# Altium PCB amp.PcbDoc (part 10 of 20) (continued)
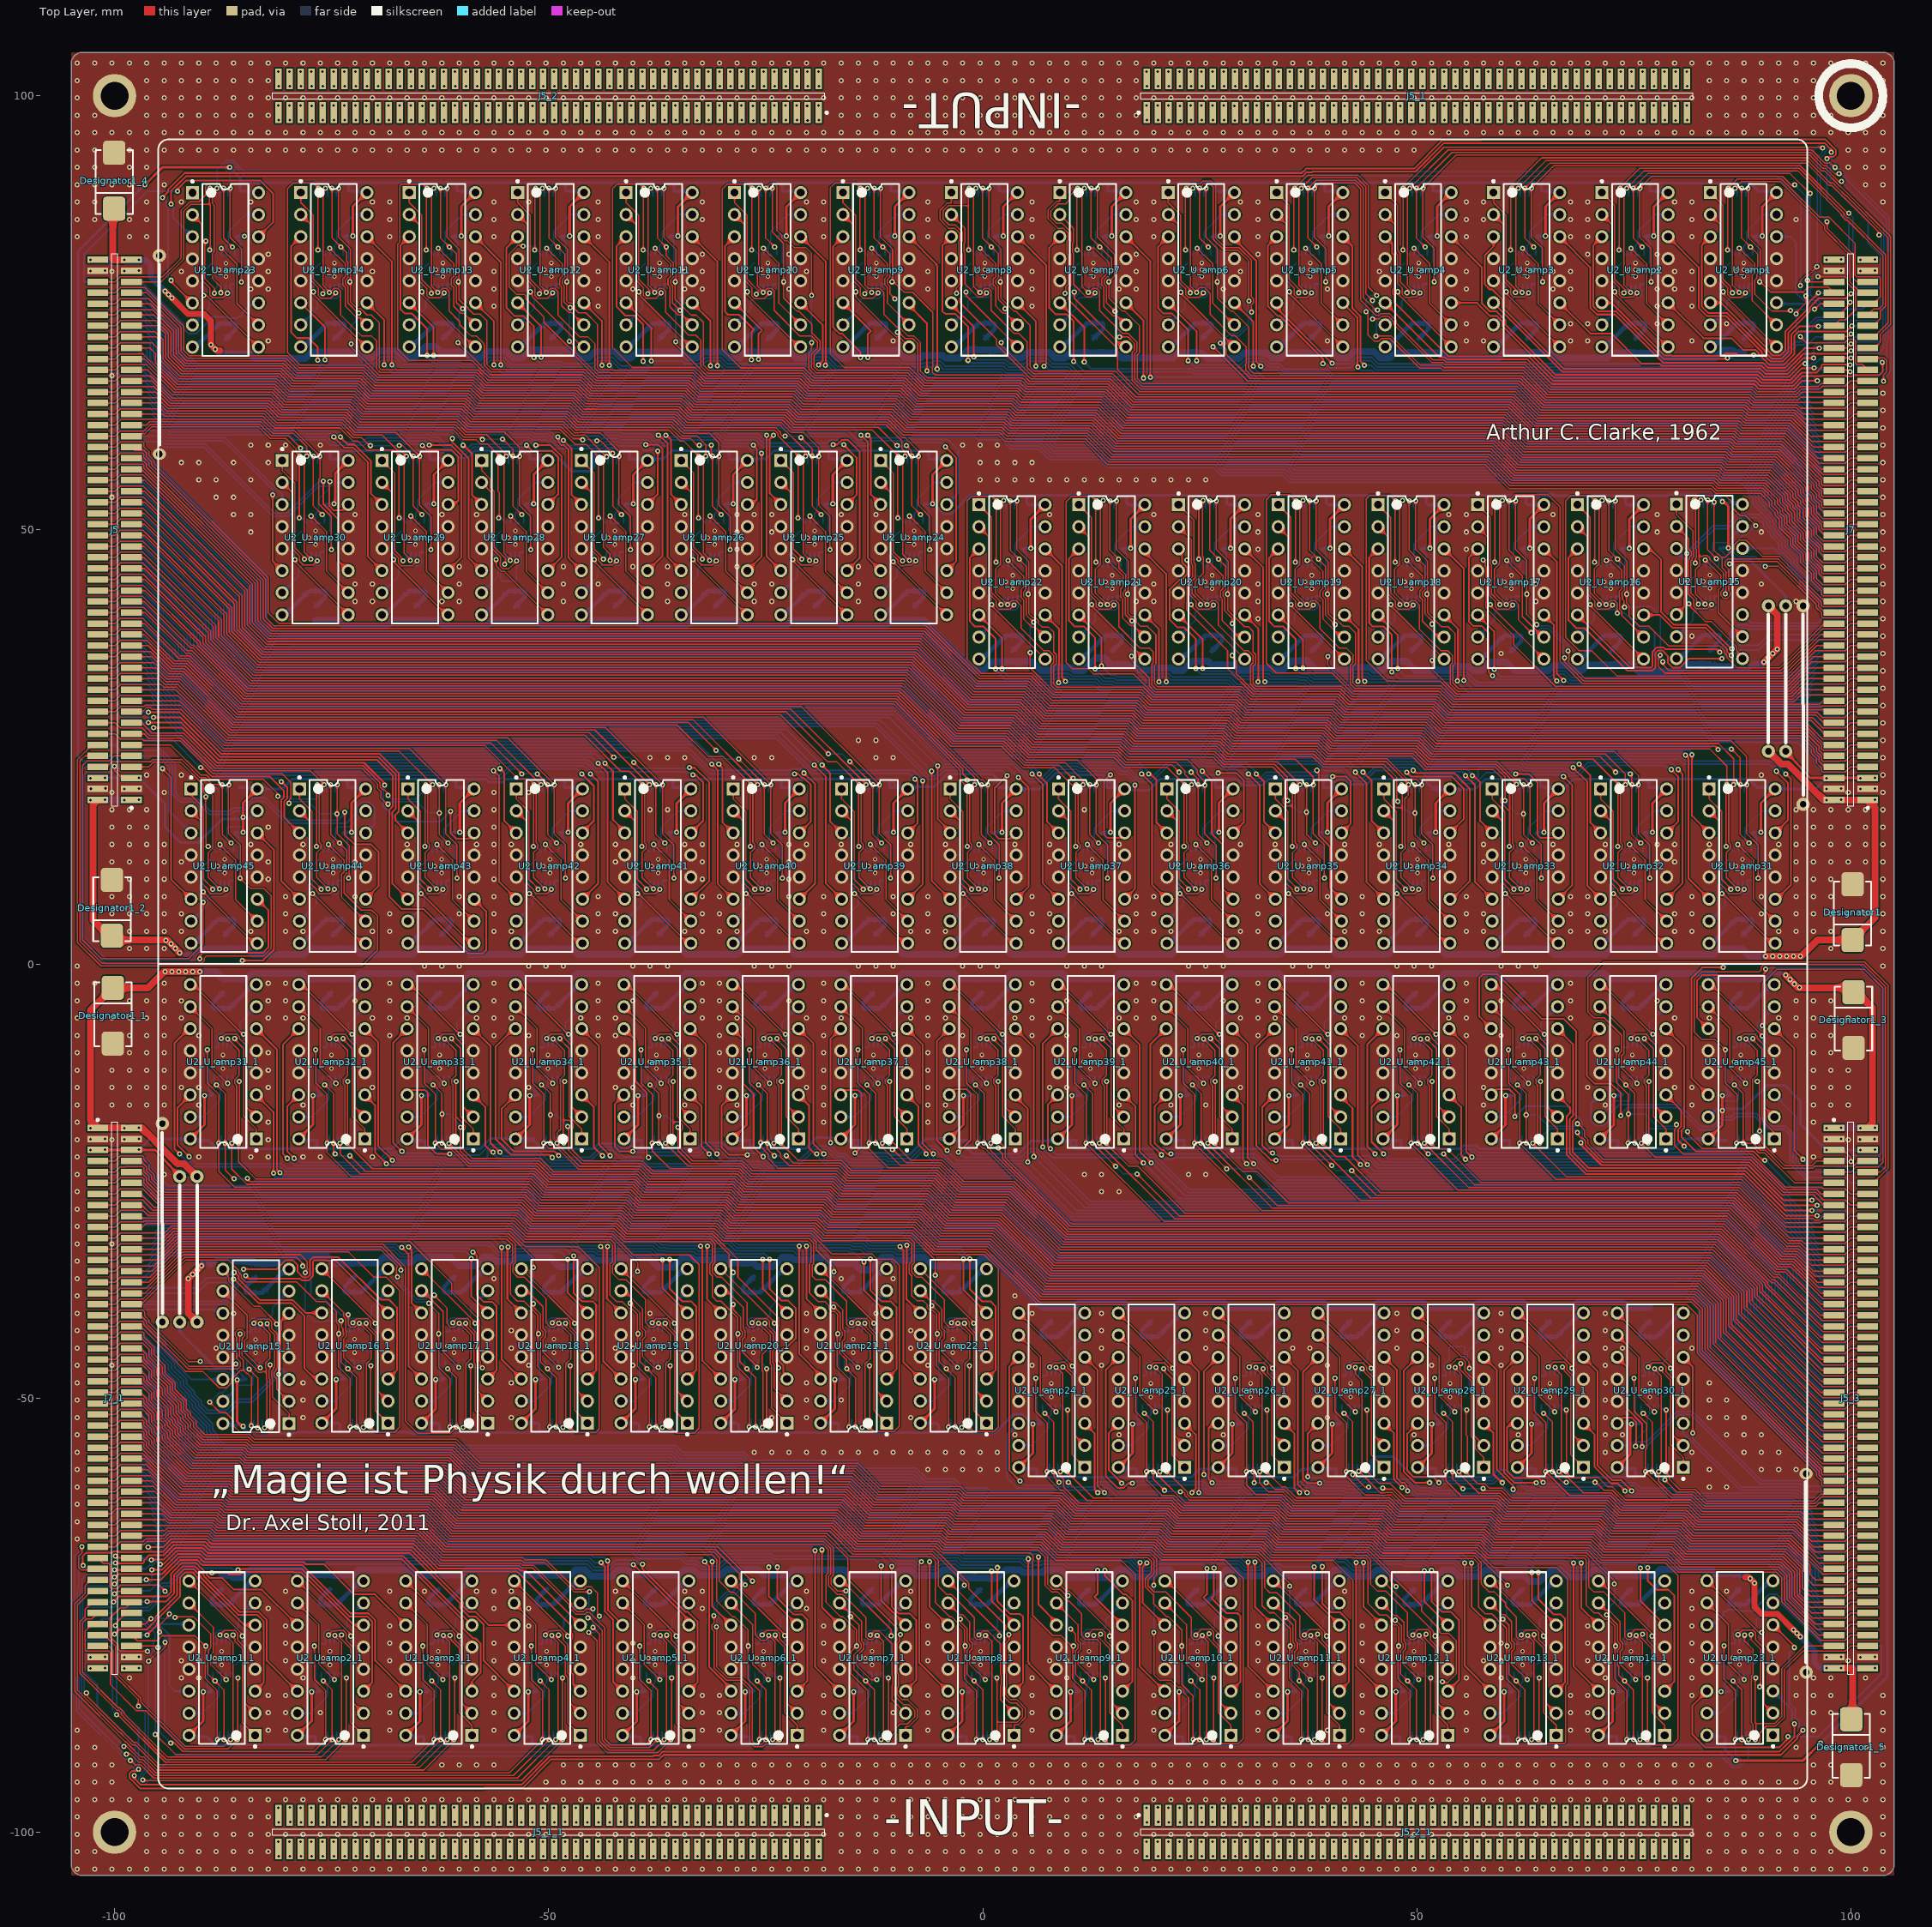
[diagram p0: Top Layer view]
## Nets (pads, with @x,y where several pads share a name; then routed paths per layer and width w, separated by ;. In a path a pad name is that pad's centre, name@x,y a point inside that pad or via, vN(x,y) a via of type N, cw(c..) or ccw(c..) an arc to the next point about the centre after c; other vN are vias at no path point) (continued)
NetJ6_22: J6.22 J6_3.22 U2_U_amp42.3 U2_U_amp42_1.3 | length 109.4
  Top Layer w0.2: v1(-55.6,22.5) -55.1,22 -55.1,16.459 U2_U_amp42.3@-53.724,15.083 ; U2_U_amp42_1.3@53.724,-15.083 55.1,-16.459 55.1,-22 v1(55.6,-22.5)
  Bottom Layer w0.2: J6.22@-98.05,31.585 -96.064,31.585 -87.279,22.8 -56.1,22.8 -55.6,22.3 v1(-55.6,22.5) ; v1(55.6,-22.5) 55.6,-22.3 56.1,-22.8 87.279,-22.8 96.064,-31.585 J6_3.22@98.05,-31.585
NetJ6_23: J6.23 J6_3.23 U2_U_amp41.14 U2_U_amp41_1.14 | length 162.2
  Top Layer w0.2: U2_U_amp41.14@-33.614,15.083 -32.2,16.497 -32.2,20.9 -33.1,21.8 v1(-33.4,21.8) ; v1(33.4,-21.8) 33.1,-21.8 32.2,-20.9 32.2,-16.497 U2_U_amp41_1.14@33.614,-15.083
  Bottom Layer w0.2: J6.23@-101.95,32.855 -99.974,32.855 -99.354,32.235 -96.219,32.235 -87.147,23.164 -45.636,23.164 -44.623,22.15 -34.128,22.15 -34.028,22.05 -33.75,22.05 -33.5,21.8 v1(-33.4,21.8) ; v1(33.4,-21.8) 33.5,-21.8 33.75,-22.05 34.028,-22.05 34.128,-22.15 44.623,-22.15 45.636,-23.164 87.147,-23.164 96.219,-32.235 99.354,-32.235 99.974,-32.855 J6_3.23@101.95,-32.855
NetJ6_24: J6.24 J6_3.24 U2_U_amp41.11 U2_U_amp41_1.11 | length 171.8
  Top Layer w0.2: v1(-33.8,22.6) -33.2,22.6 -31.5,20.9 -31.5,9.577 U2_U_amp41.11@-33.614,7.463 ; U2_U_amp41_1.11@33.614,-7.463 31.5,-9.577 31.5,-20.9 33.2,-22.6 v1(33.8,-22.6)
  Bottom Layer w0.2: J6.24@-98.05,32.855 -96.344,32.855 -87.003,23.514 -45.491,23.514 -44.528,22.55 -44.15,22.55 -44.1,22.5 -33.9,22.5 v1(-33.8,22.6) ; v1(33.8,-22.6) 33.9,-22.5 44.1,-22.5 44.15,-22.55 44.528,-22.55 45.491,-23.514 87.003,-23.514 96.344,-32.855 J6_3.24@98.05,-32.855
NetJ6_25: J6.25 J6_3.25 U2_U_amp41.6 U2_U_amp41_1.6 | length 158.2
  Top Layer w0.2: v1(-44.3,23.1) -43.2,22 -43.2,9.429 U2_U_amp41.6@-41.234,7.463 ; U2_U_amp41_1.6@41.234,-7.463 43.2,-9.429 43.2,-22 v1(44.3,-23.1)
  Bottom Layer w0.2: J6.25@-101.95,34.125 -99.974,34.125 -99.354,33.505 -96.499,33.505 -86.858,23.864 -45.064,23.864 v1(-44.3,23.1) ; v1(44.3,-23.1) 45.064,-23.864 86.858,-23.864 96.499,-33.505 99.354,-33.505 99.974,-34.125 J6_3.25@101.95,-34.125
NetJ6_26: J6.26 J6_3.26 U2_U_amp41.3 U2_U_amp41_1.3 | length 136.1
  Top Layer w0.2: v1(-43.5,23.1) -42.6,22.2 -42.6,16.6 -41.234,15.234 U2_U_amp41.3@-41.234,15.083 ; U2_U_amp41_1.3@41.234,-15.083 41.234,-15.234 42.6,-16.6 42.6,-22.2 v1(43.5,-23.1)
  Bottom Layer w0.2: J6.26@-98.05,34.125 -96.624,34.125 -86.713,24.214 -44.614,24.214 v1(-43.5,23.1) ; v1(43.5,-23.1) 44.614,-24.214 86.713,-24.214 96.624,-34.125 J6_3.26@98.05,-34.125
NetJ6_27: J6.27 J6_3.27 U2_U_amp40.14 U2_U_amp40_1.14 | length 188.7
  Top Layer w0.2: v1(-21.7,21.9) -21.278,21.9 -20.828,21.45 -20.65,21.45 -19.8,20.6 -19.8,16.407 U2_U_amp40.14@-21.124,15.083 ; U2_U_amp40_1.14@21.124,-15.083 19.8,-16.407 19.8,-20.6 20.65,-21.45 20.828,-21.45 21.278,-21.9 v1(21.7,-21.9)
  Bottom Layer w0.2: J6.27@-101.95,35.395 -99.974,35.395 -99.354,34.775 -96.776,34.775 -96.6,34.599 -96.6,34.596 -86.568,24.564 -34.036,24.564 -31.373,21.9 v1(-21.7,21.9) ; v1(21.7,-21.9) 31.373,-21.9 34.036,-24.564 86.568,-24.564 96.6,-34.596 96.6,-34.599 96.776,-34.775 99.354,-34.775 99.974,-35.395 J6_3.27@101.95,-35.395
NetJ6_28: J6.28 J6_3.28 U2_U_amp40.11 U2_U_amp40_1.11 | length 199
  Top Layer w0.2: U2_U_amp40.11@-21.124,7.463 -19.3,9.287 -19.3,20.7 v1(-20.6,22) ; v1(20.6,-22) 19.3,-20.7 19.3,-9.287 U2_U_amp40_1.11@21.124,-7.463
  Bottom Layer w0.2: J6.28@-98.05,35.395 -96.759,35.395 -95.8,34.436 -95.8,34.291 -86.423,24.914 -33.891,24.914 -31.278,22.3 -22.078,22.3 -21.928,22.45 -20.95,22.45 -20.4,21.9 -20.5,21.9 v1(-20.6,22) ; v1(20.6,-22) 20.5,-21.9 20.4,-21.9 20.95,-22.45 21.928,-22.45 22.078,-22.3 31.278,-22.3 33.891,-24.914 86.423,-24.914 95.8,-34.291 95.8,-34.436 96.759,-35.395 J6_3.28@98.05,-35.395
NetJ6_29: J6.29 J6_3.29 U2_U_amp40.6 U2_U_amp40_1.6 | length 186.3
  Top Layer w0.2: v1(-31.2,23) -30.5,22.3 -30.5,9.219 U2_U_amp40.6@-28.744,7.463 ; U2_U_amp40_1.6@28.744,-7.463 30.5,-9.219 30.5,-22.3 v1(31.2,-23)
  Bottom Layer w0.2: J6.29@-101.95,36.665 -99.974,36.665 -99.354,36.045 -96.776,36.045 -95.45,34.718 -95.45,34.436 -86.278,25.264 -33.464,25.264 v1(-31.2,23) ; v1(31.2,-23) 33.464,-25.264 86.278,-25.264 95.45,-34.436 95.45,-34.718 96.776,-36.045 99.354,-36.045 99.974,-36.665 J6_3.29@101.95,-36.665
NetJ6_30: J6.30 J6_3.30 U2_U_amp40.3 U2_U_amp40_1.3 | length 164.2
  Top Layer w0.2: v1(-30.4,23) -30,22.6 -30,16.339 U2_U_amp40.3@-28.744,15.083 ; U2_U_amp40_1.3@28.744,-15.083 30,-16.339 30,-22.6 v1(30.4,-23)
  Bottom Layer w0.2: J6.30@-98.05,36.665 -96.902,36.665 -95.1,34.863 -95.1,34.581 -86.133,25.614 -33.014,25.614 v1(-30.4,23) ; v1(30.4,-23) 33.014,-25.614 86.133,-25.614 95.1,-34.581 95.1,-34.863 96.902,-36.665 J6_3.30@98.05,-36.665
NetJ6_31: J6.31 J6_3.31 U2_U_amp39.14 U2_U_amp39_1.14 | length 216.4
  Top Layer w0.2: U2_U_amp39.14@-8.634,15.083 -7.5,16.217 -7.5,21 v1(-7.8,21.3) ; v1(7.8,-21.3) 7.5,-21 7.5,-16.217 U2_U_amp39_1.14@8.634,-15.083
  Bottom Layer w0.2: J6.31@-101.95,37.935 -99.974,37.935 -99.354,37.315 -96.776,37.315 -96.6,37.139 -96.6,37.105 -94.75,35.255 -94.75,34.726 -85.988,25.964 -23.759,25.964 -19.745,21.95 -8.45,21.95 v1(-7.8,21.3) ; v1(7.8,-21.3) 8.45,-21.95 19.745,-21.95 23.759,-25.964 85.988,-25.964 94.75,-34.726 94.75,-35.255 96.6,-37.105 96.6,-37.139 96.776,-37.315 99.354,-37.315 99.974,-37.935 J6_3.31@101.95,-37.935
NetJ6_32: J6.32 J6_3.32 U2_U_amp39.11 U2_U_amp39_1.11 | length 225.7
  Top Layer w0.2: U2_U_amp39.11@-8.634,7.463 -6.9,9.197 v1(-6.9,21.1) ; v1(6.9,-21.1) 6.9,-9.197 U2_U_amp39_1.11@8.634,-7.463
  Bottom Layer w0.2: J6.32@-98.05,37.935 -96.902,37.935 -94.4,35.433 -94.4,34.871 -85.843,26.314 -23.614,26.314 -19.6,22.3 -8,22.3 -6.9,21.2 v1(-6.9,21.1) ; v1(6.9,-21.1) 6.9,-21.2 8,-22.3 19.6,-22.3 23.614,-26.314 85.843,-26.314 94.4,-34.871 94.4,-35.433 96.902,-37.935 J6_3.32@98.05,-37.935
NetJ6_33: J6.33 J6_3.33 U2_U_amp39.6 U2_U_amp39_1.6 | length 213.4
  Top Layer w0.2: v1(-19.4,22.9) -18.1,21.6 -18.1,9.31 U2_U_amp39.6@-16.254,7.463 ; U2_U_amp39_1.6@16.254,-7.463 18.1,-9.31 18.1,-21.6 v1(19.4,-22.9)
  Bottom Layer w0.2: J6.33@-101.95,39.205 -99.974,39.205 -99.354,38.585 -96.776,38.585 -96.6,38.409 -96.6,38.405 -94.05,35.855 -94.05,35.016 -85.698,26.664 -23.264,26.664 -19.4,22.8 v1(-19.4,22.9) ; v1(19.4,-22.9) 19.4,-22.8 23.264,-26.664 85.698,-26.664 94.05,-35.016 94.05,-35.855 96.6,-38.405 96.6,-38.409 96.776,-38.585 99.354,-38.585 99.974,-39.205 J6_3.33@101.95,-39.205
NetJ6_34: J6.34 J6_3.34 U2_U_amp39.3 U2_U_amp39_1.3 | length 191.1
  Top Layer w0.2: v1(-18.5,22.9) -17.6,22 -17.6,16.43 U2_U_amp39.3@-16.254,15.083 ; U2_U_amp39_1.3@16.254,-15.083 17.6,-16.43 17.6,-22 v1(18.5,-22.9)
  Bottom Layer w0.2: J6.34@-98.05,39.205 -96.902,39.205 -93.7,36.003 -93.7,35.161 -85.553,27.014 -22.614,27.014 v1(-18.5,22.9) ; v1(18.5,-22.9) 22.614,-27.014 85.553,-27.014 93.7,-35.161 93.7,-36.003 96.902,-39.205 J6_3.34@98.05,-39.205
NetJ6_35: J6.35 J6_3.35 U2_U_amp38.14 U2_U_amp38_1.14 | length 248.7
  Top Layer w0.2: U2_U_amp38_1.14@-3.857,-15.083 -3.173,-14.4 -1.9,-14.4 -1.4,-14.9 -1.4,-20.3 v1(-2.8,-21.7) ; v1(2.8,21.7) 1.4,20.3 1.4,14.9 1.9,14.4 3.173,14.4 U2_U_amp38.14@3.857,15.083
  Bottom Layer w0.2: J6.35@-101.95,40.475 -99.974,40.475 -99.354,39.855 -96.776,39.855 -96.6,39.679 -96.6,39.605 -93.35,36.355 -93.35,35.306 -85.408,27.364 -12.359,27.364 -6.295,21.3 -5.427,21.3 -4.43,22.297 2.203,22.297 v1(2.8,21.7) ; v1(-2.8,-21.7) -2.203,-22.297 4.43,-22.297 5.427,-21.3 6.295,-21.3 12.359,-27.364 85.408,-27.364 93.35,-35.306 93.35,-36.355 96.6,-39.605 96.6,-39.679 96.776,-39.855 99.354,-39.855 99.974,-40.475 J6_3.35@101.95,-40.475
NetJ6_36: J6.36 J6_3.36 U2_U_amp38.11 U2_U_amp38_1.11 | length 253.3
  Top Layer w0.2: v1(-4.1,-21.5) -5.3,-20.3 -5.3,-8.907 U2_U_amp38_1.11@-3.857,-7.463 ; U2_U_amp38.11@3.857,7.463 5.3,8.907 5.3,20.3 v1(4.1,21.5)
  Bottom Layer w0.2: J6.36@-98.05,40.475 -96.902,40.475 -93,36.573 -93,35.451 -85.263,27.714 -12.214,27.714 -6.15,21.65 -5.572,21.65 -4.575,22.647 2.953,22.647 v1(4.1,21.5) ; v1(-4.1,-21.5) -2.953,-22.647 4.575,-22.647 5.572,-21.65 6.15,-21.65 12.214,-27.714 85.263,-27.714 93,-35.451 93,-36.573 96.902,-40.475 J6_3.36@98.05,-40.475
NetJ6_37: J6.37 J6_3.37 U2_U_amp38.6 U2_U_amp38_1.6 | length 241.2
  Top Layer w0.2: v1(-5.9,22.2) -5.9,9.6 U2_U_amp38.6@-3.763,7.463 ; U2_U_amp38_1.6@3.763,-7.463 5.9,-9.6 v1(5.9,-22.2)
  Bottom Layer w0.2: J6.37@-101.95,41.745 -99.974,41.745 -99.354,41.125 -96.776,41.125 -96.6,40.949 -96.6,40.905 -92.65,36.955 -92.65,35.596 -85.118,28.064 -11.764,28.064 v1(-5.9,22.2) ; v1(5.9,-22.2) 11.764,-28.064 85.118,-28.064 92.65,-35.596 92.65,-36.955 96.6,-40.905 96.6,-40.949 96.776,-41.125 99.354,-41.125 99.974,-41.745 J6_3.37@101.95,-41.745
NetJ6_38: J6.38 J6_3.38 U2_U_amp38.3 U2_U_amp38_1.3 | length 219.7
  Top Layer w0.2: v1(-5.2,22.8) -5.2,16.7 -3.763,15.263 U2_U_amp38.3@-3.763,15.083 ; U2_U_amp38_1.3@3.763,-15.083 3.763,-15.263 5.2,-16.7 v1(5.2,-22.8)
  Bottom Layer w0.2: J6.38@-98.05,41.745 -96.902,41.745 -92.3,37.143 -92.3,35.741 -84.973,28.414 -10.814,28.414 v1(-5.2,22.8) ; v1(5.2,-22.8) 10.814,-28.414 84.973,-28.414 92.3,-35.741 92.3,-37.143 96.902,-41.745 J6_3.38@98.05,-41.745
NetJ6_39: J6.39 J6_3.39 U2_U_amp37.14 U2_U_amp37_1.14 | length 275.1
  Top Layer w0.2: U2_U_amp37_1.14@-16.347,-15.083 -15.764,-14.5 -14.4,-14.5 -14,-14.9 -14,-21.1 v1(-14.7,-21.8) ; v1(14.7,21.8) 14,21.1 14,14.9 14.4,14.5 15.764,14.5 U2_U_amp37.14@16.347,15.083
  Bottom Layer w0.2: J6.39@-101.95,43.015 -99.974,43.015 -99.354,42.395 -96.776,42.395 -91.95,37.569 -91.95,35.886 -84.828,28.764 -10.281,28.764 -4.515,22.997 3.408,22.997 4.8,21.605 4.8,21.527 5.327,21 6.873,21 8.273,22.4 10.814,22.4 11.036,22.178 14.322,22.178 v1(14.7,21.8) ; v1(-14.7,-21.8) -14.322,-22.178 -11.036,-22.178 -10.814,-22.4 -8.273,-22.4 -6.873,-21 -5.327,-21 -4.8,-21.527 -4.8,-21.605 -3.408,-22.997 4.515,-22.997 10.281,-28.764 84.828,-28.764 91.95,-35.886 91.95,-37.569 96.776,-42.395 99.354,-42.395 99.974,-43.015 J6_3.39@101.95,-43.015
NetJ6_40: J6.40 J6_3.40 U2_U_amp37.11 U2_U_amp37_1.11 | length 281.7
  Top Layer w0.2: v1(-17.547,-20.603) -17.547,-8.663 U2_U_amp37_1.11@-16.347,-7.463 ; U2_U_amp37.11@16.347,7.463 17.547,8.663 v1(17.547,20.603)
  Bottom Layer w0.2: J6.40@-98.05,43.015 -96.902,43.015 -91.6,37.713 -91.6,36.031 -84.683,29.114 -10.136,29.114 -4.37,23.347 3.553,23.347 5.15,21.75 5.15,21.672 5.472,21.35 6.728,21.35 8.128,22.75 10.959,22.75 11.181,22.528 15.174,22.528 15.894,21.808 16.624,21.808 17.547,20.885 v1(17.547,20.603) ; v1(-17.547,-20.603) -17.547,-20.885 -16.624,-21.808 -15.894,-21.808 -15.174,-22.528 -11.181,-22.528 -10.959,-22.75 -8.128,-22.75 -6.728,-21.35 -5.472,-21.35 -5.15,-21.672 -5.15,-21.75 -3.553,-23.347 4.37,-23.347 10.136,-29.114 84.683,-29.114 91.6,-36.031 91.6,-37.713 96.902,-43.015 J6_3.40@98.05,-43.015
NetJ6_41: J6.41 J6_3.41 U2_U_amp37.6 U2_U_amp37_1.6 | length 268
  Top Layer w0.2: U2_U_amp37_1.6@-8.727,-7.463 -6.9,-9.29 -6.9,-20.7 v1(-5.7,-21.9) ; v1(5.7,21.9) 6.9,20.7 6.9,9.29 U2_U_amp37.6@8.727,7.463
  Bottom Layer w0.2: J6.41@-101.95,44.285 -99.974,44.285 -99.354,43.665 -96.776,43.665 -91.25,38.139 -91.25,36.176 -84.538,29.464 -9.991,29.464 -4.225,23.697 4.308,23.697 5.7,22.305 v1(5.7,21.9) ; v1(-5.7,-21.9) -5.7,-22.305 -4.308,-23.697 4.225,-23.697 9.991,-29.464 84.538,-29.464 91.25,-36.176 91.25,-38.139 96.776,-43.665 99.354,-43.665 99.974,-44.285 J6_3.41@101.95,-44.285
NetJ6_42: J6.42 J6_3.42 U2_U_amp37.3 U2_U_amp37_1.3 | length 245.5
  Top Layer w0.2: U2_U_amp37_1.3@-8.727,-15.083 -7.4,-16.41 -7.4,-20.8 -6.5,-21.7 v1(-6.5,-21.9) ; v1(6.5,21.9) 6.5,21.7 7.4,20.8 7.4,16.41 U2_U_amp37.3@8.727,15.083
  Bottom Layer w0.2: J6.42@-98.05,44.285 -96.902,44.285 -90.9,38.283 -90.9,36.321 -84.393,29.814 -9.846,29.814 -4.08,24.047 4.453,24.047 6.5,22 v1(6.5,21.9) ; v1(-6.5,-21.9) -6.5,-22 -4.453,-24.047 4.08,-24.047 9.846,-29.814 84.393,-29.814 90.9,-36.321 90.9,-38.283 96.902,-44.285 J6_3.42@98.05,-44.285
NetJ6_43: J6.43 J6_3.43 U2_U_amp36.14 U2_U_amp36_1.14 | length 304
  Top Layer w0.2: U2_U_amp36_1.14@-28.837,-15.083 -30.1,-16.346 -30.1,-21.1 -29.2,-22 v1(-27.1,-22) ; v1(27.1,22) 29.2,22 30.1,21.1 30.1,16.346 U2_U_amp36.14@28.837,15.083
  Bottom Layer w0.2: J6.43@-101.95,45.555 -99.974,45.555 -99.354,44.935 -97.93,44.935 -97.9,44.905 -96.746,44.905 -90.55,38.709 -90.55,36.466 -84.248,30.164 -9.701,30.164 -3.935,24.397 4.614,24.397 5.911,23.1 11.104,23.1 11.326,22.878 15.319,22.878 16.039,22.158 16.769,22.158 17.927,21 18.05,21 19.495,21 21.353,22.858 24.02,22.858 24.55,22.328 24.55,22.172 25.072,21.65 25.528,21.65 25.678,21.8 27,21.8 27.1,21.9 v1(27.1,22) ; v1(-27.1,-22) -27.1,-21.9 -27,-21.8 -25.678,-21.8 -25.528,-21.65 -25.072,-21.65 -24.55,-22.172 -24.55,-22.328 -24.02,-22.858 -21.353,-22.858 -19.495,-21 -18.05,-21 -17.927,-21 -16.769,-22.158 -16.039,-22.158 -15.319,-22.878 -11.326,-22.878 -11.104,-23.1 -5.911,-23.1 -4.614,-24.397 3.935,-24.397 9.701,-30.164 84.248,-30.164 90.55,-36.466 90.55,-38.709 96.746,-44.905 97.9,-44.905 97.93,-44.935 99.354,-44.935 99.974,-45.555 J6_3.43@101.95,-45.555
NetJ6_44: J6.44 J6_3.44 U2_U_amp36.11 U2_U_amp36_1.11 | length 305
  Top Layer w0.2: U2_U_amp36_1.11@-28.837,-7.463 -27.6,-8.7 -27.6,-13.8 -26.4,-15 -26.4,-21.1 v1(-25.3,-22.2) ; v1(25.3,22.2) 26.4,21.1 26.4,15 27.6,13.8 27.6,8.7 U2_U_amp36.11@28.837,7.463
  Bottom Layer w0.2: J6.44@-98.05,45.555 -96.902,45.555 -90.2,38.853 -90.2,36.611 -84.103,30.514 -9.556,30.514 -3.79,24.747 4.759,24.747 6.056,23.45 11.249,23.45 11.471,23.228 15.464,23.228 16.184,22.508 16.914,22.508 18.072,21.35 18.323,21.35 19.35,21.35 21.208,23.208 24.464,23.208 v1@25.473,22.2 ; v1@-25.511,-22.162 v1@-25.473,-22.2 ; v1(-25.3,-22.2) v1@-25.473,-22.2 ; v1(25.3,22.2) v1@25.473,22.2 ; v1@25.511,22.162 v1@25.473,22.2 ; J6_3.44@98.05,-45.555 96.902,-45.555 90.2,-38.853 90.2,-36.611 84.103,-30.514 9.556,-30.514 3.79,-24.747 -4.759,-24.747 -6.056,-23.45 -11.249,-23.45 -11.471,-23.228 -15.464,-23.228 -16.184,-22.508 -16.914,-22.508 -18.072,-21.35 -18.323,-21.35 -19.35,-21.35 -21.208,-23.208 -24.464,-23.208 v1@-25.473,-22.2
NetJ6_45: J6.45 J6_3.45 U2_U_amp36.6 U2_U_amp36_1.6 | length 296.1
  Top Layer w0.2: U2_U_amp36_1.6@-21.217,-7.463 -19.5,-9.18 -19.5,-20.7 v1(-18.3,-21.9) ; v1(18.3,21.9) 19.5,20.7 19.5,9.18 U2_U_amp36.6@21.217,7.463
  Bottom Layer w0.2: J6.45@-101.95,46.825 -99.974,46.825 -99.354,46.205 -96.705,46.205 -89.85,39.35 -89.85,36.756 -83.958,30.864 -9.411,30.864 -3.645,25.097 4.904,25.097 6.201,23.8 11.394,23.8 11.616,23.578 15.609,23.578 16.329,22.858 17.847,22.858 18.3,22.405 v1(18.3,21.9) ; v1(-18.3,-21.9) -18.3,-22.405 -17.847,-22.858 -16.329,-22.858 -15.609,-23.578 -11.616,-23.578 -11.394,-23.8 -6.201,-23.8 -4.904,-25.097 3.645,-25.097 9.411,-30.864 83.958,-30.864 89.85,-36.756 89.85,-39.35 96.705,-46.205 99.354,-46.205 99.974,-46.825 J6_3.45@101.95,-46.825
NetJ6_46: J6.46 J6_3.46 U2_U_amp36.3 U2_U_amp36_1.3 | length 274.4
  Top Layer w0.2: U2_U_amp36_1.3@-21.217,-15.083 -20,-16.3 -20,-21.2 -19.3,-21.9 v1(-19.1,-21.9) ; v1(19.1,21.9) 19.3,21.9 20,21.2 20,16.3 U2_U_amp36.3@21.217,15.083
  Bottom Layer w0.2: J6.46@-98.05,46.825 -96.83,46.825 -89.5,39.495 -89.5,36.901 -83.813,31.214 -9.266,31.214 -3.5,25.447 5.049,25.447 6.346,24.15 11.539,24.15 11.761,23.928 15.754,23.928 16.474,23.208 17.992,23.208 19.3,21.9 v1(19.1,21.9) ; v1(-19.1,-21.9) -19.3,-21.9 -17.992,-23.208 -16.474,-23.208 -15.754,-23.928 -11.761,-23.928 -11.539,-24.15 -6.346,-24.15 -5.049,-25.447 3.5,-25.447 9.266,-31.214 83.813,-31.214 89.5,-36.901 89.5,-39.495 96.83,-46.825 J6_3.46@98.05,-46.825
NetJ6_47: J6.47 J6_3.47 U2_U_amp35.14 U2_U_amp35_1.14 | length 328.3
  Top Layer w0.2: U2_U_amp35_1.14@-41.327,-15.083 -42.4,-16.156 -42.4,-21 -41.8,-21.6 v1(-40.3,-21.6) ; v1(40.3,21.6) 41.8,21.6 42.4,21 42.4,16.156 U2_U_amp35.14@41.327,15.083
  Bottom Layer w0.2: J6.47@-101.95,48.095 -99.974,48.095 -99.354,47.475 -96.776,47.475 -89.15,39.849 -89.15,37.046 -83.668,31.564 -9.121,31.564 -3.355,25.797 5.194,25.797 6.491,24.5 11.684,24.5 11.903,24.281 15.896,24.281 16.619,23.558 24.609,23.558 25.418,22.75 27.245,22.75 27.483,22.512 27.85,22.512 28.262,22.1 29.066,22.1 30.166,21 32.054,21 32.754,21.7 40.2,21.7 v1(40.3,21.6) ; v1(-40.3,-21.6) -40.2,-21.7 -32.754,-21.7 -32.054,-21 -30.166,-21 -29.066,-22.1 -28.262,-22.1 -27.85,-22.512 -27.483,-22.512 -27.245,-22.75 -25.418,-22.75 -24.609,-23.558 -16.619,-23.558 -15.896,-24.281 -11.903,-24.281 -11.684,-24.5 -6.491,-24.5 -5.194,-25.797 3.355,-25.797 9.121,-31.564 83.668,-31.564 89.15,-37.046 89.15,-39.849 96.776,-47.475 99.354,-47.475 99.974,-48.095 J6_3.47@101.95,-48.095
NetJ6_48: J6.48 J6_3.48 U2_U_amp35.11 U2_U_amp35_1.11 | length 331.7
  Top Layer w0.2: U2_U_amp35_1.11@-41.327,-7.463 -40,-8.79 -40,-13.536 -38.7,-14.836 -38.7,-22.1 v1(-38.5,-22.3) ; v1(38.5,22.3) 38.7,22.1 38.7,14.836 40,13.536 40,8.79 U2_U_amp35.11@41.327,7.463
  Bottom Layer w0.2: J6.48@-98.05,48.095 -96.902,48.095 -88.8,39.993 -88.8,37.19 -83.523,31.914 -8.976,31.914 -3.21,26.147 5.339,26.147 6.636,24.85 11.829,24.85 12.048,24.631 16.041,24.631 16.764,23.908 24.754,23.908 25.563,23.1 27.39,23.1 27.628,22.862 27.995,22.862 28.407,22.45 29.211,22.45 30.311,21.35 31.909,21.35 32.659,22.1 38.4,22.1 38.6,22.3 v1(38.5,22.3) ; v1(-38.5,-22.3) -38.6,-22.3 -38.4,-22.1 -32.659,-22.1 -31.909,-21.35 -30.311,-21.35 -29.211,-22.45 -28.407,-22.45 -27.995,-22.862 -27.628,-22.862 -27.39,-23.1 -25.563,-23.1 -24.754,-23.908 -16.764,-23.908 -16.041,-24.631 -12.048,-24.631 -11.829,-24.85 -6.636,-24.85 -5.339,-26.147 3.21,-26.147 8.976,-31.914 83.523,-31.914 88.8,-37.19 88.8,-39.993 96.902,-48.095 J6_3.48@98.05,-48.095
NetJ6_49: J6.49 J6_3.49 U2_U_amp35.6 U2_U_amp35_1.6 | length 323.7
  Top Layer w0.2: U2_U_amp35_1.6@-33.707,-7.463 -31.9,-9.27 -31.9,-20.6 v1(-30.6,-21.9) ; v1(30.6,21.9) 31.9,20.6 31.9,9.27 U2_U_amp35.6@33.707,7.463
  Bottom Layer w0.2: J6.49@-101.95,49.365 -99.974,49.365 -99.354,48.745 -96.776,48.745 -88.45,40.419 -88.45,37.335 -83.378,32.264 -8.831,32.264 -3.065,26.497 5.484,26.497 6.781,25.2 11.974,25.2 12.193,24.981 16.186,24.981 16.909,24.258 24.899,24.258 25.708,23.45 27.535,23.45 27.773,23.212 28.139,23.212 28.551,22.8 29.9,22.8 30.8,21.9 v1(30.6,21.9) ; v1(-30.6,-21.9) -30.8,-21.9 -29.9,-22.8 -28.551,-22.8 -28.139,-23.212 -27.773,-23.212 -27.535,-23.45 -25.708,-23.45 -24.899,-24.258 -16.909,-24.258 -16.186,-24.981 -12.193,-24.981 -11.974,-25.2 -6.781,-25.2 -5.484,-26.497 3.065,-26.497 8.831,-32.264 83.378,-32.264 88.45,-37.335 88.45,-40.419 96.776,-48.745 99.354,-48.745 99.974,-49.365 J6_3.49@101.95,-49.365
NetJ6_50: J6.50 J6_3.50 U2_U_amp35.3 U2_U_amp35_1.3 | length 301.6
  Top Layer w0.2: U2_U_amp35_1.3@-33.707,-15.083 -32.4,-16.39 -32.4,-21 v1(-31.5,-21.9) ; v1(31.5,21.9) 32.4,21 32.4,16.39 U2_U_amp35.3@33.707,15.083
  Bottom Layer w0.2: J6.50@-98.05,49.365 -96.902,49.365 -88.1,40.563 -88.1,37.48 -83.233,32.614 -8.686,32.614 -2.92,26.847 5.629,26.847 6.926,25.55 12.119,25.55 12.338,25.331 16.331,25.331 17.054,24.608 25.044,24.608 25.853,23.8 27.68,23.8 27.918,23.562 28.284,23.562 28.696,23.15 30.42,23.15 31.67,21.9 v1(31.5,21.9) ; v1(-31.5,-21.9) -31.67,-21.9 -30.42,-23.15 -28.696,-23.15 -28.284,-23.562 -27.918,-23.562 -27.68,-23.8 -25.853,-23.8 -25.044,-24.608 -17.054,-24.608 -16.331,-25.331 -12.338,-25.331 -12.119,-25.55 -6.926,-25.55 -5.629,-26.847 2.92,-26.847 8.686,-32.614 83.233,-32.614 88.1,-37.48 88.1,-40.563 96.902,-49.365 J6_3.50@98.05,-49.365
NetJ6_51: J6.51 J6_3.51 U2_U_amp34.14 U2_U_amp34_1.14 | length 357.5
  Top Layer w0.2: U2_U_amp34_1.14@-53.817,-15.083 -55.4,-16.666 -55.4,-20.2 -54,-21.6 -49.322,-21.6 v1(-48.85,-22.072) ; v1(48.85,22.072) 49.322,21.6 54,21.6 55.4,20.2 55.4,16.666 U2_U_amp34.14@53.817,15.083
  Bottom Layer w0.2: J6.51@-101.95,50.635 -99.974,50.635 -99.354,50.015 -96.776,50.015 -87.75,40.989 -87.75,37.625 -83.088,32.964 -8.541,32.964 -2.775,27.197 5.774,27.197 7.071,25.9 12.264,25.9 12.483,25.681 16.476,25.681 17.199,24.958 25.189,24.958 25.998,24.15 27.825,24.15 28.063,23.912 28.429,23.912 28.841,23.5 33.454,23.5 33.944,23.01 38.616,23.01 39.422,22.204 41.396,22.204 42.5,21.1 44.073,21.1 45.244,22.272 48.8,22.272 48.8,22.122 v1(48.85,22.072) ; v1(-48.85,-22.072) -48.8,-22.122 -48.8,-22.272 -45.244,-22.272 -44.073,-21.1 -42.5,-21.1 -41.396,-22.204 -39.422,-22.204 -38.616,-23.01 -33.944,-23.01 -33.454,-23.5 -28.841,-23.5 -28.429,-23.912 -28.063,-23.912 -27.825,-24.15 -25.998,-24.15 -25.189,-24.958 -17.199,-24.958 -16.476,-25.681 -12.483,-25.681 -12.264,-25.9 -7.071,-25.9 -5.774,-27.197 2.775,-27.197 8.541,-32.964 83.088,-32.964 87.75,-37.625 87.75,-40.989 96.776,-50.015 99.354,-50.015 99.974,-50.635 J6_3.51@101.95,-50.635
NetJ6_52: J6.52 J6_3.52 U2_U_amp34.11 U2_U_amp34_1.11 | length 367.9
  Top Layer w0.2: U2_U_amp34_1.11@-53.817,-7.463 -54.063,-7.463 -56.1,-9.5 -56.1,-20.2 -54.3,-22 -49.9,-22 v1(-49.6,-22.3) ; v1(49.6,22.3) 49.9,22 54.3,22 56.1,20.2 56.1,9.5 54.063,7.463 U2_U_amp34.11@53.817,7.463
  Bottom Layer w0.2: J6.52@-98.05,50.635 -96.902,50.635 -87.4,41.133 -87.4,37.77 -82.943,33.314 -8.396,33.314 -2.63,27.547 5.919,27.547 7.216,26.25 12.409,26.25 12.628,26.031 16.621,26.031 17.344,25.308 25.334,25.308 26.143,24.5 27.97,24.5 28.208,24.262 28.574,24.262 28.986,23.85 33.599,23.85 34.089,23.36 38.761,23.36 39.567,22.554 39.781,22.554 39.833,22.606 39.885,22.554 41.541,22.554 42.645,21.45 43.928,21.45 45.099,22.622 49.478,22.622 49.8,22.3 v1(49.6,22.3) ; v1(-49.6,-22.3) -49.8,-22.3 -49.478,-22.622 -45.099,-22.622 -43.928,-21.45 -42.645,-21.45 -41.541,-22.554 -39.885,-22.554 -39.833,-22.606 -39.781,-22.554 -39.567,-22.554 -38.761,-23.36 -34.089,-23.36 -33.599,-23.85 -28.986,-23.85 -28.574,-24.262 -28.208,-24.262 -27.97,-24.5 -26.143,-24.5 -25.334,-25.308 -17.344,-25.308 -16.621,-26.031 -12.628,-26.031 -12.409,-26.25 -7.216,-26.25 -5.919,-27.547 2.63,-27.547 8.396,-33.314 82.943,-33.314 87.4,-37.77 87.4,-41.133 96.902,-50.635 J6_3.52@98.05,-50.635
NetJ6_53: J6.53 J6_3.53 U2_U_amp34.6 U2_U_amp34_1.6 | length 350.7
  Top Layer w0.2: U2_U_amp34_1.6@-46.197,-7.463 -44.2,-9.461 -44.2,-20.8 v1(-42.9,-22.1) ; v1(42.9,22.1) 44.2,20.8 44.2,9.461 U2_U_amp34.6@46.197,7.463
  Bottom Layer w0.2: J6.53@-101.95,51.905 -99.974,51.905 -99.354,51.285 -96.776,51.285 -87.05,41.559 -87.05,37.915 -82.798,33.664 -8.252,33.664 -2.485,27.897 6.064,27.897 7.361,26.6 12.554,26.6 12.773,26.381 16.766,26.381 17.489,25.658 25.479,25.658 26.288,24.85 28.115,24.85 28.353,24.612 28.719,24.612 29.131,24.2 33.744,24.2 34.234,23.71 38.906,23.71 39.674,22.942 39.688,22.956 39.978,22.956 40.03,22.904 42.096,22.904 v1(42.9,22.1) ; v1(-42.9,-22.1) -42.096,-22.904 -40.03,-22.904 -39.978,-22.956 -39.688,-22.956 -39.674,-22.942 -38.906,-23.71 -34.234,-23.71 -33.744,-24.2 -29.131,-24.2 -28.719,-24.612 -28.353,-24.612 -28.115,-24.85 -26.288,-24.85 -25.479,-25.658 -17.489,-25.658 -16.766,-26.381 -12.773,-26.381 -12.554,-26.6 -7.361,-26.6 -6.064,-27.897 2.485,-27.897 8.252,-33.664 82.798,-33.664 87.05,-37.915 87.05,-41.559 96.776,-51.285 99.354,-51.285 99.974,-51.905 J6_3.53@101.95,-51.905
NetJ6_54: J6.54 J6_3.54 U2_U_amp34.3 U2_U_amp34_1.3 | length 328.7
  Top Layer w0.2: U2_U_amp34_1.3@-46.197,-15.083 -44.8,-16.481 -44.8,-21.1 v1(-43.8,-22.1) ; v1(43.8,22.1) 44.8,21.1 44.8,16.481 U2_U_amp34.3@46.197,15.083
  Bottom Layer w0.2: J6.54@-98.05,51.905 -96.902,51.905 -86.7,41.703 -86.7,38.06 -82.653,34.014 -8.107,34.014 -2.34,28.247 6.209,28.247 7.506,26.95 12.699,26.95 12.918,26.731 16.911,26.731 17.634,26.008 25.624,26.008 26.432,25.2 28.26,25.2 28.498,24.962 28.864,24.962 29.276,24.55 33.889,24.55 34.379,24.06 39.051,24.06 39.711,23.4 40.029,23.4 40.175,23.254 42.246,23.254 42.85,22.65 43.128,22.65 43.678,22.1 v1(43.8,22.1) ; v1(-43.8,-22.1) -43.678,-22.1 -43.128,-22.65 -42.85,-22.65 -42.246,-23.254 -40.175,-23.254 -40.029,-23.4 -39.711,-23.4 -39.051,-24.06 -34.379,-24.06 -33.889,-24.55 -29.276,-24.55 -28.864,-24.962 -28.498,-24.962 -28.26,-25.2 -26.432,-25.2 -25.624,-26.008 -17.634,-26.008 -16.911,-26.731 -12.918,-26.731 -12.699,-26.95 -7.506,-26.95 -6.209,-28.247 2.34,-28.247 8.107,-34.014 82.653,-34.014 86.7,-38.06 86.7,-41.703 96.902,-51.905 J6_3.54@98.05,-51.905
NetJ6_55: J6.55 J6_3.55 U2_U_amp33.14 U2_U_amp33_1.14 | length 382.7
  Top Layer w0.2: U2_U_amp33_1.14@-66.308,-15.083 -65.724,-14.5 -64.3,-14.5 -63.9,-14.9 -63.9,-20.9 -62.9,-21.9 v1(-61.4,-21.9) ; v1(61.4,21.9) 62.9,21.9 63.9,20.9 63.9,14.9 64.3,14.5 65.724,14.5 U2_U_amp33.14@66.308,15.083
  Bottom Layer w0.2: J6.55@-101.95,53.175 -99.974,53.175 -99.354,52.555 -98.23,52.555 -98.2,52.525 -96.746,52.525 -86.35,42.129 -86.35,38.205 -82.508,34.364 -7.962,34.364 -2.195,28.597 6.354,28.597 7.651,27.3 12.844,27.3 13.063,27.081 17.056,27.081 17.779,26.358 25.769,26.358 26.577,25.55 28.405,25.55 28.643,25.312 29.009,25.312 29.421,24.9 34.034,24.9 34.524,24.41 39.196,24.41 39.856,23.75 40.174,23.75 40.32,23.604 43.001,23.604 43.105,23.5 43.173,23.5 43.701,22.972 49.728,22.972 51.266,21.434 54.593,21.434 55.227,20.8 56.773,20.8 58.023,22.05 61.25,22.05 v1(61.4,21.9) ; v1@-61.4,-21.9 -61.25,-22.05 -58.023,-22.05 -56.773,-20.8 -55.227,-20.8 -54.593,-21.434 -51.266,-21.434 -49.728,-22.972 -43.701,-22.972 -43.173,-23.5 -43.105,-23.5 -43.001,-23.604 -40.32,-23.604 -40.174,-23.75 -39.856,-23.75 -39.196,-24.41 -34.524,-24.41 -34.034,-24.9 -29.421,-24.9 -29.009,-25.312 -28.643,-25.312 -28.405,-25.55 -26.577,-25.55 -25.769,-26.358 -17.779,-26.358 -17.056,-27.081 -13.063,-27.081 -12.844,-27.3 -7.651,-27.3 -6.354,-28.597 2.195,-28.597 7.962,-34.364 82.508,-34.364 86.35,-38.205 86.35,-42.129 96.746,-52.525 98.2,-52.525 98.23,-52.555 99.354,-52.555 99.974,-53.175 J6_3.55@101.95,-53.175
NetJ6_56: J6.56 J6_3.56 U2_U_amp33.11 U2_U_amp33_1.11 | length 394.4
  Top Layer w0.2: v1(-66.9,-21.6) -67.9,-20.6 -67.9,-9.056 U2_U_amp33_1.11@-66.308,-7.463 ; U2_U_amp33.11@66.308,7.463 67.9,9.056 67.9,20.6 v1(66.9,21.6)
  Bottom Layer w0.2: J6.56@-98.05,53.175 -96.902,53.175 -86,42.273 -86,38.35 -82.363,34.714 -7.817,34.714 -2.05,28.947 6.499,28.947 7.796,27.65 12.989,27.65 13.208,27.431 17.201,27.431 17.924,26.708 25.914,26.708 26.722,25.9 28.55,25.9 28.788,25.662 29.154,25.662 29.566,25.25 34.179,25.25 34.669,24.76 39.341,24.76 40.001,24.1 40.319,24.1 40.465,23.954 43.145,23.954 43.25,23.85 43.318,23.85 43.846,23.322 49.89,23.322 51.427,21.784 54.738,21.784 55.372,21.15 55.828,21.15 56.628,21.15 57.05,21.572 57.05,22.272 57.228,22.45 61.66,22.45 62.305,21.805 66.795,21.805 67,21.6 v1(66.9,21.6) ; v1(-66.9,-21.6) -67,-21.6 -66.795,-21.805 -62.305,-21.805 -61.66,-22.45 -57.228,-22.45 -57.05,-22.272 -57.05,-21.572 -56.628,-21.15 -55.828,-21.15 -55.372,-21.15 -54.738,-21.784 -51.427,-21.784 -49.89,-23.322 -43.846,-23.322 -43.318,-23.85 -43.25,-23.85 -43.145,-23.954 -40.465,-23.954 -40.319,-24.1 -40.001,-24.1 -39.341,-24.76 -34.669,-24.76 -34.179,-25.25 -29.566,-25.25 -29.154,-25.662 -28.788,-25.662 -28.55,-25.9 -26.722,-25.9 -25.914,-26.708 -17.924,-26.708 -17.201,-27.431 -13.208,-27.431 -12.989,-27.65 -7.796,-27.65 -6.499,-28.947 2.05,-28.947 7.817,-34.714 82.363,-34.714 86,-38.35 86,-42.273 96.902,-53.175 J6_3.56@98.05,-53.175
NetJ6_57: J6.57 J6_3.57 U2_U_amp33.6 U2_U_amp33_1.6 | length 378.3
  Top Layer w0.2: U2_U_amp33_1.6@-58.688,-7.463 -56.7,-9.451 -56.7,-20.6 v1(-55.6,-21.7) ; v1(55.6,21.7) 56.7,20.6 56.7,9.451 U2_U_amp33.6@58.688,7.463
  Bottom Layer w0.2: J6.57@-101.95,54.445 -99.974,54.445 -99.354,53.825 -96.776,53.825 -85.65,42.699 -85.65,38.495 -82.218,35.064 -7.672,35.064 -1.905,29.297 6.644,29.297 7.941,28 13.134,28 13.353,27.781 17.346,27.781 18.069,27.058 26.059,27.058 26.867,26.25 28.695,26.25 28.933,26.012 29.299,26.012 29.711,25.6 34.324,25.6 34.814,25.11 39.486,25.11 40.146,24.45 40.464,24.45 40.61,24.304 43.29,24.304 43.394,24.2 43.463,24.2 43.991,23.672 50.035,23.672 51.572,22.134 55.266,22.134 55.6,21.8 v1(55.6,21.7) ; v1(-55.6,-21.7) -55.6,-21.8 -55.266,-22.134 -51.572,-22.134 -50.035,-23.672 -43.991,-23.672 -43.463,-24.2 -43.394,-24.2 -43.29,-24.304 -40.61,-24.304 -40.464,-24.45 -40.146,-24.45 -39.486,-25.11 -34.814,-25.11 -34.324,-25.6 -29.711,-25.6 -29.299,-26.012 -28.933,-26.012 -28.695,-26.25 -26.867,-26.25 -26.059,-27.058 -18.069,-27.058 -17.346,-27.781 -13.353,-27.781 -13.134,-28 -7.941,-28 -6.644,-29.297 1.905,-29.297 7.672,-35.064 82.218,-35.064 85.65,-38.495 85.65,-42.699 96.776,-53.825 99.354,-53.825 99.974,-54.445 J6_3.57@101.95,-54.445